# Allegro board Single PMT Data AcquisitionV_3P3.brd (continued)
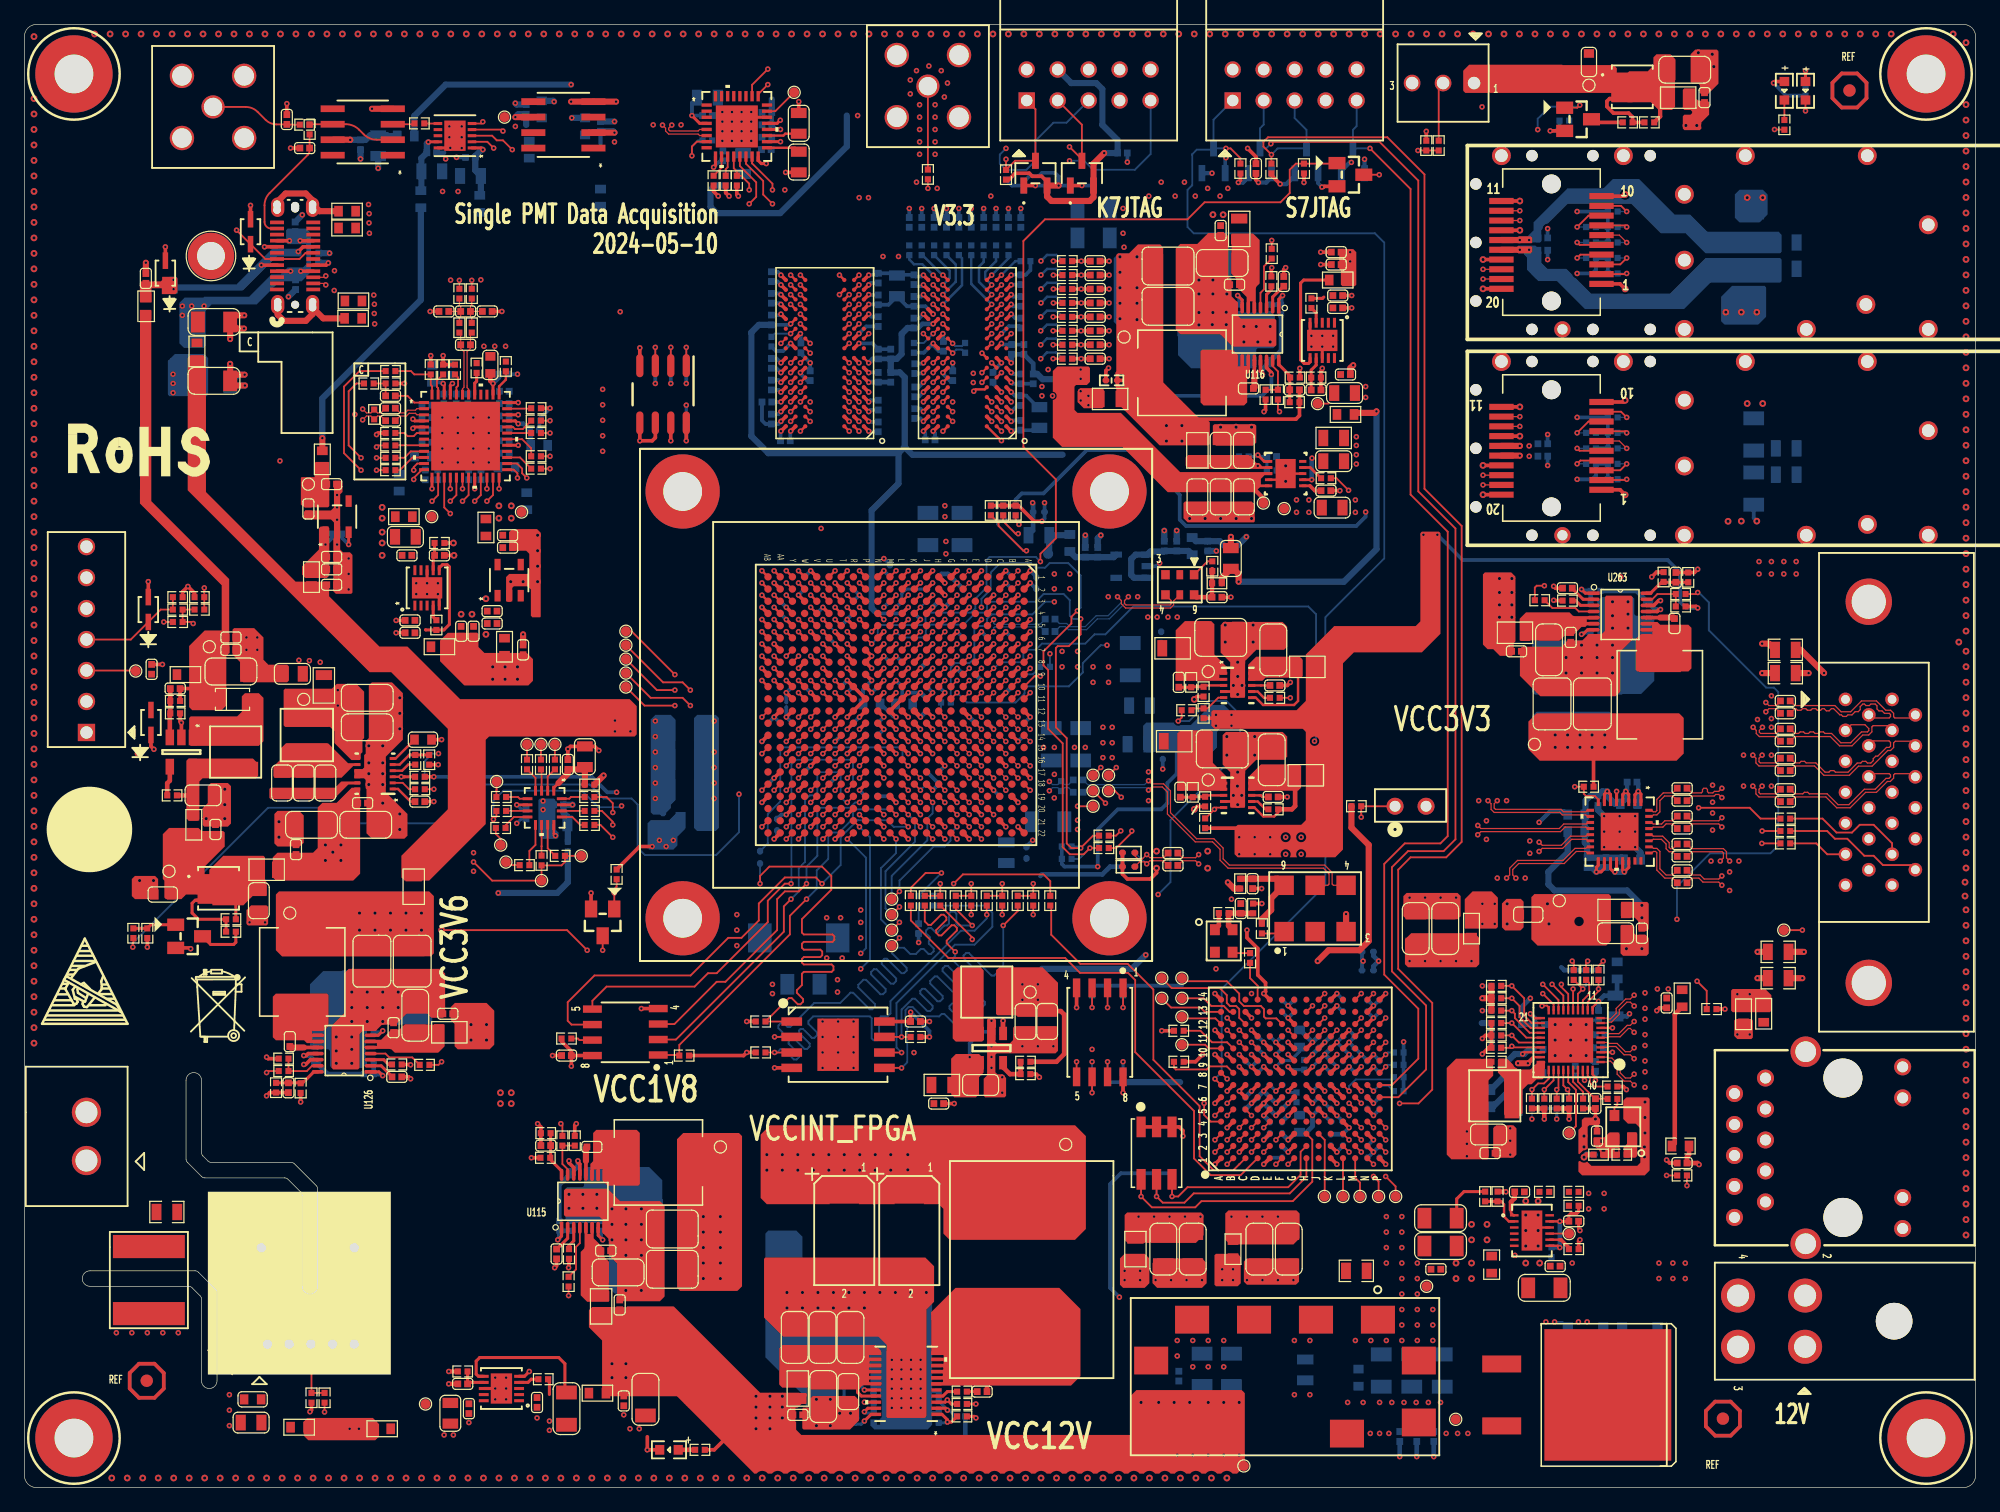
[diagram p0: board, top side]
## Routing (per net, layer and track width the routed paths; a pad name or vN(x,y) marks a point on that pad's centre or on a via; arc(x,y) is an arc through that point) (continued)
  ART08 w0.165: v1(67.63,92.24) 67.5,92.38 66.42,92.38 64.87,90.83 64.87,85.76 62.32,83.21 62.32,82.99 62.48,82.83 62.73,82.83 62.89,82.66 62.89,82.33 62.73,82.17 62.48,82.17 62.32,82 62.32,76.59 61.98,76.25 61.98,72.69 v1(61.48,72.19)
DDR3_A_D5: length 23.6
  TOP w0.203: U75.H8 v1(62.84,92.24) ; U1.AB3 v1(60.48,73.19)
  ART08 w0.102: 61.6,91.74 61.7,91.84 62.2,91.84 62.6,92.24 v1(62.84,92.24)
  ART08 w0.165: 61.6,91.74 60.98,91.74 59.66,90.42 59.66,86.13 58.93,85.39 58.93,79.48 58.7,79.25 58.7,74.97 v1(60.48,73.19)
DDR3_A_D6: length 22.9
  TOP w0.203: U1.Y1 v1(62.48,75.19) ; U75.G2 v1(68.44,91.44)
  ART08 w0.102: 67.42,91.84 68.03,91.84 v1(68.44,91.44)
  ART08 w0.165: 67.42,91.84 66.33,91.84 65.34,90.85 65.34,89.18 65.5,89.02 65.94,89.02 66.1,88.85 66.1,88.52 65.94,88.36 65.5,88.36 65.34,88.19 65.34,85.56 63.6,83.83 63.6,77.21 62.48,76.09 v1(62.48,75.19)
DDR3_A_D7: length 23.6
  TOP w0.203: U75.H7 v1(63.64,92.24) ; U1.AB2 v1(60.48,74.19)
  ART08 w0.102: v1(63.64,92.24) 63.23,91.84 62.63,91.84 62.43,91.64 62.43,91.24 62.4,91.24 62.2,91.04 61.7,91.04
  ART08 w0.165: 61.7,91.04 60.95,91.04 60.13,90.23 60.13,89.86 60.3,89.7 60.57,89.7 60.74,89.53 60.74,89.2 60.57,89.04 60.3,89.04 60.13,88.87 60.13,85.94 59.4,85.2 59.4,79.28 59.17,79.05 59.17,75.5 v1(60.48,74.19)
DDR3_A_D8: length 24.6
  TOP w0.203: U75.D7 v1(63.63,89.04) ; U1.U5 v1(65.48,71.19)
  ART03 w0.102: v1(63.63,89.04) 63.23,88.64 62.61,88.64 62.43,88.46 62.43,85.76
  ART03 w0.165: v1(65.48,71.19) 65.02,71.65 64.34,71.65 62.94,73.05 62.94,73.46 62.64,73.76 62.31,73.76 61.95,74.12 61.95,74.32 61.57,74.7 61.37,74.7 61.05,75.02 61.05,76.73 61.29,76.97 61.29,77.21 61.11,77.39 61.11,77.62 61.34,77.85 61.58,77.85 61.76,77.67 61.99,77.67 63.26,78.94 63.26,84.94 62.43,85.76
DDR3_A_D9: length 24
  TOP w0.203: U1.T4 v1(66.48,72.19) ; U75.C3 v1(67.64,88.24)
  ART03 w0.165: v1(66.48,72.19) 65.99,72.68 65.99,73.46 66.24,73.71 66.75,73.71 66.93,73.89 66.93,74.42 66.67,74.68 66.29,74.68 66.04,74.93 66.04,75.95 67.27,77.18 68.29,78.2 68.29,78.43 68.02,78.71 68.02,78.98 68.22,79.19 68.45,79.19 68.62,79.02 68.86,79.02 69.09,79.25 69.09,79.48 68.92,79.65 68.92,79.89 69.09,80.06 69.09,80.25 69.34,80.5 69.34,80.99 69.09,81.24 69.09,81.57 69.25,81.74 69.39,81.74 69.56,81.9 69.56,82.03 69.72,82.2 69.94,82.2 70.1,82.36 70.1,82.69 69.94,82.86 69.72,82.86 69.56,83.02 69.56,83.17 69.81,83.42 69.81,84.34 68.58,85.57 68.04,85.57 67.06,86.56 67.06,87.66 v1(67.64,88.24)
DDR3_A_D10: length 18.5
  TOP w0.203: U1.V3 v1(64.48,73.19) ; U75.C8 v1(62.83,88.24)
  ART03 w0.165: v1(64.48,73.19) 64.48,73.39 63.9,73.97 63.9,76.91 64.89,77.9 64.89,78.86 65.75,79.72 65.75,84.82 64.07,86.5 64.07,87.01 v1(62.83,88.24)
DDR3_A_D11: length 25.9
  TOP w0.203: U1.N5 v1(69.48,70.19) ; U75.C2 v1(68.44,88.24)
  ART03 w0.102: v1(68.44,88.24) 68.84,88.64 69.9,88.64
  ART03 w0.165: v1(69.48,70.19) 69.48,72.71 69.22,72.97 69.22,74.57 68.96,74.83 68.96,76.88 72.39,80.31 72.39,85.68 71.66,86.42 71.66,87.42 71.37,87.71 71.37,88.48 71.21,88.64 70.89,88.64 70.73,88.48 70.73,88.05 70.56,87.88 70.23,87.88 70.07,88.05 70.07,88.48 69.9,88.64
DDR3_A_D12: length 19.8
  TOP w0.203: U1.W2 v1(63.48,74.19) ; U75.A7 v1(63.63,86.64)
  ART03 w0.165: v1(63.48,74.19) 63.48,74.22 62.9,74.8 62.9,75.37 62.65,75.62 62.23,75.62 61.98,75.87 61.98,76.33 62.53,76.88 62.76,76.88 62.91,76.73 63.14,76.73 63.37,76.96 63.37,77.2 63.23,77.35 63.23,77.58 63.5,77.85 63.73,77.85 63.78,77.8 64.01,77.8 64.24,78.04 64.24,78.27 64.2,78.32 64.2,78.83 64.99,79.62 64.99,79.79 64.82,79.95 64.43,79.95 64.26,80.12 64.26,80.45 64.43,80.61 64.82,80.61 64.99,80.78 64.99,83.02 64.48,83.53 64.48,83.73 64.64,83.89 65.11,83.89 65.28,84.06 65.28,84.39 65.11,84.55 64.64,84.55 64.48,84.72 64.48,85.1 63.63,85.94 v1(63.63,86.64)
DDR3_A_D13: length 26.5
  TOP w0.203: U1.P5 v1(68.48,71.19) ; U75.A2 v1(68.44,86.64)
  ART03 w0.102: v1(68.44,86.64) 68.56,86.64 68.96,87.04 69.45,87.04
  ART03 w0.165: v1(68.48,71.19) 67.9,71.77 67.9,73.36 68.3,73.76 68.65,73.76 68.91,74.02 68.91,74.47 68.71,74.68 68.2,74.68 67.94,74.93 67.94,75.26 68.49,75.81 68.49,77.07 70.6,79.19 70.6,79.42 70.48,79.54 70.48,79.77 70.72,80.01 70.95,80.01 71.07,79.89 71.3,79.89 71.63,80.21 71.63,80.48 71.46,80.65 71.29,80.65 71.12,80.81 71.12,81.14 71.29,81.31 71.68,81.31 71.84,81.47 71.84,81.8 71.68,81.97 71.29,81.97 71.12,82.13 71.12,82.46 71.29,82.63 71.68,82.63 71.84,82.79 71.84,85.29 71.59,85.53 71.59,85.98 71.34,86.24 70.89,86.24 70.66,86.47 70.66,86.7 70.86,86.9 70.86,87.13 70.62,87.37 70.39,87.37 70.19,87.17 69.58,87.17 69.45,87.04
DDR3_A_D14: length 22
  TOP w0.203: U75.B8 v1(62.83,87.44) ; U1.V4 v1(64.48,72.19)
  ART03 w0.102: 63.25,85.62 63.23,85.63 63.23,87.04 v1(62.83,87.44)
  ART03 w0.165: 63.25,85.62 63.73,85.14 63.73,84.6 64.01,84.33 64.01,83.94 63.73,83.66 63.73,83.16 63.89,82.99 64.35,82.99 64.52,82.83 64.52,82.5 64.35,82.33 63.89,82.33 63.73,82.17 63.73,81.96 63.89,81.79 64.35,81.79 64.52,81.63 64.52,81.3 64.35,81.13 63.89,81.13 63.73,80.97 63.73,78.75 61.47,76.48 61.47,75.8 62,75.27 62,75.07 62.45,74.62 62.69,74.62 62.99,74.32 62.99,74.08 63.33,73.74 63.58,73.74 63.96,73.36 63.96,72.71 v1(64.48,72.19)
DDR3_A_D15: length 25.7
  TOP w0.203: U75.A3 v1(67.64,86.64) ; U1.T5 v1(66.48,71.19)
  ART03 w0.165: v1(67.64,86.64) 68.07,86.21 68.61,86.21 68.7,86.12 68.93,86.12 69.01,86.2 69.25,86.2 69.48,85.97 69.48,85.74 69.4,85.66 69.4,85.42 69.68,85.14 69.91,85.14 70.5,85.73 70.73,85.73 70.97,85.5 70.97,85.26 70.38,84.68 70.38,84.44 70.57,84.25 70.57,84.09 70.74,83.92 71.21,83.92 71.37,83.76 71.37,83.42 71.21,83.26 70.74,83.26 70.57,83.09 70.57,81.97 70.41,81.8 70.27,81.8 69.81,81.35 69.81,81.06 69.98,80.89 70.19,80.89 70.36,80.73 70.36,80.4 70.19,80.23 69.98,80.23 69.81,80.07 69.81,79.06 66.93,76.18 66.93,74.93 67.18,74.68 67.69,74.68 67.9,74.46 67.9,74.02 67.55,73.66 67.26,73.66 66.9,73.3 66.9,71.62 v1(66.48,71.19)
DDR3_A_D16: length 30.2
  TOP w0.203: U1.R4 v1(67.48,72.19) ; U76.E3 78.75,90.07 78,90.07 v1(77.85,89.92)
  ART08 w0.165: v1(67.48,72.19) 67.91,71.75 68.9,71.75 69.07,71.59 69.07,71.39 69.23,71.22 69.56,71.22 69.73,71.39 69.73,71.59 69.89,71.75 73.66,71.75 74.05,72.15 74.05,75.4 75.13,76.47 75.13,77.78 75.38,78.04 76.08,78.04 77.28,79.24 77.28,81.67 76.64,82.3 76.64,83.69 76.89,83.94 76.89,84.36 76.64,84.6 76.64,85.87 77.62,86.85 77.62,87.9 77.56,87.96 77.56,88.29 77.72,88.46 77.72,89.12 77.56,89.28 77.56,89.63 v1(77.85,89.92)
DDR3_A_D17: length 26.8
  TOP w0.203: U1.T1 v1(67.48,75.19) ; U76.F7 v1(75.32,90.64)
  ART08 w0.102: v1(75.32,90.64) 74.92,91.04 73.5,91.04
  ART08 w0.165: v1(67.48,75.19) 67.49,75.19 68.21,75.91 68.93,75.91 70.18,77.16 70.18,79.39 71.03,80.24 71.03,81.14 70.86,81.31 70.81,81.31 70.65,81.47 70.65,81.8 70.81,81.97 70.86,81.97 71.03,82.13 71.03,82.46 70.86,82.63 70.81,82.63 70.65,82.79 70.65,83.12 70.81,83.29 70.86,83.29 71.03,83.45 71.03,83.91 72.75,85.63 72.75,85.87 72.21,86.4 72.21,87.15 72.38,87.32 73.11,87.32 73.28,87.48 73.28,87.81 73.11,87.98 72.38,87.98 72.21,88.15 72.21,88.48 72.38,88.64 73.11,88.64 73.28,88.81 73.28,89.14 73.11,89.3 72.38,89.3 72.21,89.47 72.21,89.81 73.44,91.04 73.5,91.04
DDR3_A_D18: length 30.8
  TOP w0.203: U1.P4 v1(68.48,72.19) ; U76.F2 v1(80.12,91.44)
  ART08 w0.165: v1(68.48,72.19) 69.78,72.19 70.23,72.64 72.56,72.64 72.95,73.03 72.95,75.27 74.66,76.97 74.66,77.97 75.6,78.92 75.84,78.92 75.94,78.82 76.17,78.82 76.41,79.05 76.41,79.28 76.3,79.39 76.3,80.49 76.47,80.65 76.52,80.65 76.68,80.82 76.68,81.15 76.52,81.31 76.47,81.31 76.3,81.48 76.3,81.68 76.08,81.9 76.08,85.76 77.19,86.86 77.19,89.91 77.19,89.92 77.19,91.44 77.8,92.05 78.82,92.05 79.42,91.44 v1(80.12,91.44)
DDR3_A_D19: length 27.1
  TOP w0.203: U1.R2 v1(67.48,74.19) ; U76.F8 v1(74.52,90.64)
  ART08 w0.102: 74.12,86.34 74.12,90.24 v1(74.52,90.64)
  ART08 w0.165: 74.12,86.34 71.7,83.92 71.7,83.56 71.86,83.4 72.51,83.4 72.67,83.23 72.67,82.9 72.51,82.74 71.86,82.74 71.7,82.57 71.7,80.5 72.34,79.86 72.34,79.53 72.17,79.36 70.82,79.36 70.65,79.2 70.65,78.87 70.82,78.7 72.17,78.7 72.34,78.54 72.34,78.21 72.17,78.04 70.82,78.04 70.65,77.88 70.65,76.97 69.32,75.64 68.32,75.64 67.94,75.26 67.94,74.66 v1(67.48,74.19)
DDR3_A_D20: length 28
  TOP w0.203: U1.P2 v1(68.48,74.19) ; U76.H3 v1(78.52,93.04)
  ART08 w0.165: v1(78.52,93.04) 77.62,93.04 76.01,91.43 75.95,91.43 75.79,91.26 75.79,90.93 75.95,90.77 76.01,90.77 76.17,90.6 76.17,89.76 76.55,89.39 76.55,87.26 74.89,85.6 74.89,84.62 74.47,84.2 74.47,83.93 74.64,83.76 74.86,83.76 75.03,83.6 75.03,83.27 74.86,83.1 74.64,83.1 74.47,82.94 74.47,82.61 74.64,82.44 74.86,82.44 75.03,82.28 75.03,81.95 74.86,81.78 74.64,81.78 74.47,81.62 74.47,79.94 73.28,78.74 73.28,77.47 71.63,75.82 71.5,75.82 71.04,75.36 71.04,75.16 70.5,74.62 68.9,74.62 v1(68.48,74.19)
DDR3_A_D21: length 25.3
  TOP w0.203: U1.U1 v1(66.48,75.19) ; U76.H8 v1(74.52,92.24)
  ART08 w0.165: v1(66.48,75.19) 66.48,75.62 69.13,78.27 69.13,79.82 69.67,80.36 69.67,88.8 70.46,89.59 70.46,89.83 70,90.29 70,90.52 70.23,90.76 70.47,90.76 70.93,90.29 71.16,90.29 71.59,90.73 71.59,90.96 71.39,91.16 71.39,91.39 71.63,91.63 71.86,91.63 72.06,91.43 72.29,91.43 73.54,92.67 74.09,92.67 v1(74.52,92.24)
DDR3_A_D22: length 29.1
  TOP w0.203: U1.R3 v1(67.48,73.19) ; U76.G2 v1(79.32,92.24)
  ART08 w0.165: v1(67.48,73.19) 68.03,72.64 69.47,72.64 69.98,73.15 69.98,73.43 70.21,73.66 70.55,73.66 71.01,74.12 71.01,74.48 71.19,74.66 71.54,74.66 72.05,75.17 72.05,75.37 73.75,77.07 73.75,78.55 74.96,79.76 74.96,80.62 75.61,81.28 75.61,85.87 76.87,87.13 76.87,89.71 76.63,89.94 76.63,91.52 77.62,92.51 79.05,92.51 v1(79.32,92.24)
DDR3_A_D23: length 29.1
  TOP w0.203: U76.H7 v1(75.32,92.24) ; U1.T3 v1(66.48,73.19)
  ART08 w0.102: v1(75.32,92.24) 75.32,91.96 75.2,91.84 73.51,91.84
  ART08 w0.165: 73.51,91.84 71.1,89.43 71.1,89.2 71.66,88.63 71.66,88.4 71.43,88.17 71.19,88.17 70.63,88.73 70.4,88.73 70.14,88.47 70.14,87.82 70.3,87.66 71.32,87.66 71.48,87.49 71.48,87.16 71.32,87 70.3,87 70.14,86.83 70.14,80.01 69.64,79.52 69.64,77.96 66.98,75.3 66.98,73.7 v1(66.48,73.19)
DDR3_A_D24: length 20.5
  TOP w0.203: U76.D7 v1(75.32,89.04) ; U1.N2 v1(70.48,74.19)
  ART03 w0.102: 74.92,86.43 74.92,87.75 75.02,87.85 75.62,87.85 75.72,87.95 75.72,88.16 75.62,88.26 75.02,88.26 74.92,88.36 74.92,88.64 v1(75.32,89.04)
  ART03 w0.165: 74.92,86.43 75.41,85.94 75.41,82.55 74.22,81.36 74.22,79.87 70.9,76.55 70.9,75.93 70.74,75.77 70.29,75.77 70.05,75.53 70.05,75.01 70.48,74.58 v1(70.48,74.19)
DDR3_A_D25: length 18.4
  TOP w0.203: U1.L1 v1(72.48,75.19) ; U76.C3 v1(79.32,88.24)
  ART03 w0.102: v1(79.32,88.24) 79.62,88.24 79.72,88.14 79.72,87.27 79.48,87.04 79.28,87.04 79.25,87.01
  ART03 w0.165: 79.25,87.01 79.25,87.01 78.75,86.52 78.75,84.71 78.86,84.59 78.86,82.03 76.81,79.98 76.81,79.15 75.76,78.1 75.44,78.1 73.68,76.35 73.18,76.35 72.48,75.64 v1(72.48,75.19)
DDR3_A_D26: length 25.2
  TOP w0.203: U76.C8 v1(74.52,88.24) ; U1.L5 v1(72.48,71.19)
  ART03 w0.102: 73.35,88.64 74.12,88.64 v1(74.52,88.24)
  ART03 w0.165: 73.35,88.64 72.77,88.64 72.34,88.21 72.34,86.9 73.38,85.85 73.45,85.85 73.61,85.69 73.61,85.36 73.45,85.19 73.38,85.19 73.21,85.03 73.21,84.7 73.38,84.53 73.45,84.53 73.61,84.37 73.61,84.04 73.45,83.87 73.38,83.87 73.21,83.71 73.21,80.2 69.51,76.49 69.51,73.56 70.35,72.72 70.55,72.72 70.94,72.33 70.94,72.12 71.3,71.77 71.5,71.77 72.08,71.19 v1(72.48,71.19)
DDR3_A_D27: length 22.6
  TOP w0.203: U76.C2 v1(80.12,88.24) ; U1.L3 v1(72.48,73.19)
  ART03 w0.102: v1(80.12,88.24) 80.12,88.01 80.52,87.61 80.52,87.27 80.29,87.04 79.95,87.04 79.67,86.75
  ART03 w0.165: 79.67,86.75 79.44,86.75 79.22,86.54 79.22,85.22 79.33,85.1 79.33,84.94 79.5,84.78 79.63,84.78 79.8,84.61 79.8,84.28 79.63,84.12 79.5,84.12 79.33,83.95 79.33,83.62 79.5,83.46 79.63,83.46 79.8,83.29 79.8,82.96 79.63,82.8 79.5,82.8 79.33,82.63 79.33,81.83 77.42,79.92 77.42,77.74 76.84,77.16 75.43,77.16 74.35,76.07 73.64,76.07 72.97,75.41 72.97,73.69 v1(72.48,73.19)
DDR3_A_D28: length 22.4
  TOP w0.203: U1.M3 v1(71.48,73.19) ; U76.A7 v1(75.32,86.64)
  ART03 w0.165: v1(71.48,73.19) 71.48,73.43 70.9,74 70.9,75.34 71.37,75.82 71.37,76.36 74.69,79.68 74.69,80.36 75.09,80.76 75.09,81 74.92,81.17 74.92,81.4 75.16,81.63 75.39,81.63 75.55,81.48 75.78,81.48 75.95,81.64 75.95,81.92 75.84,82.02 75.84,82.34 76.01,82.51 76.67,82.51 76.83,82.67 76.83,84.22 77.11,84.49 77.11,85.05 76.94,85.21 76.45,85.21 76.29,85.38 76.29,85.71 76.45,85.87 76.89,85.87 77.06,86.04 77.06,86.78 76.89,86.95 76.66,86.95 76.45,86.74 76.07,86.74 75.77,87.05 75.48,87.05 75.32,86.88 v1(75.32,86.64)
DDR3_A_D29: length 20.1
  TOP w0.203: U76.A2 v1(80.12,86.64) ; U1.K1 v1(73.48,75.19)
  ART03 w0.165: v1(73.48,75.19) 73.48,75.53 73.64,75.69 74.77,75.69 75.24,76.16 76.51,76.16 77.89,77.54 77.89,78.57 78.03,78.71 78.21,78.71 78.36,78.86 78.36,79.06 78.21,79.21 78.21,79.21 78.04,79.37 78.04,79.61 78.29,79.86 78.29,80.12 78.62,80.46 78.89,80.46 79.23,80.79 79.23,81.06 79.56,81.39 79.83,81.39 80.27,81.83 80.27,82.73 80.43,82.9 80.8,82.9 80.96,83.06 80.96,83.39 80.8,83.56 80.43,83.56 80.27,83.72 80.27,84.05 80.43,84.22 80.8,84.22 80.96,84.38 80.96,84.71 80.8,84.88 80.43,84.88 79.69,85.62 79.69,86.21 v1(80.12,86.64)
DDR3_A_D30: length 21.7
  TOP w0.203: U76.B8 v1(74.52,87.44) ; U1.N3 v1(70.48,73.19)
  ART03 w0.102: v1(74.52,87.44) 74.52,87.67 74.22,87.97 74.12,87.97 73.99,87.84 73.54,87.84 73.31,88.06
  ART03 w0.165: v1(70.48,73.19) 70.62,73.34 70.62,73.57 70.46,73.74 69.99,73.74 69.78,73.95 69.78,76.1 73.68,80 73.68,81.82 74.42,82.56 74.42,85.59 73.8,86.21 73.54,86.21 72.69,87.06 72.69,87.67 73.08,88.06 73.31,88.06
DDR3_A_D31: length 20.4
  TOP w0.203: v1(80.12,85.86) 80.1,85.86 U76.A3 ; U1.K2 v1(73.48,74.19)
  ART03 w0.165: v1(80.12,85.86) 80.48,85.86 80.58,85.76 80.81,85.76 81.02,85.98 81.26,85.98 81.49,85.74 81.49,85.51 81.28,85.3 81.28,85.06 81.43,84.91 81.43,82.33 78.83,79.73 78.83,77.81 76.64,75.62 76.16,75.62 76,75.45 76,75.11 75.65,74.77 73.64,74.77 73.48,74.6 v1(73.48,74.19)
DDR3_A_DM0: length 21.7
  TOP w0.203: U1.AB1 v1(60.48,75.19) ; U75.E7 v1(63.63,89.84)
  ART08 w0.102: 61.59,90.24 63.23,90.24 v1(63.63,89.84)
  ART08 w0.165: 61.59,90.24 61.43,90.08 61.43,89.01 60.6,88.18 60.6,87.81 60.77,87.65 61.43,87.65 61.59,87.48 61.59,87.15 61.43,86.99 60.77,86.99 60.6,86.82 60.6,85.47 60.55,85.47 59.89,84.81 59.89,79.11 59.64,78.86 59.64,77.13 59.8,76.97 59.97,76.97 60.13,76.8 60.13,76.47 59.97,76.31 59.93,76.31 59.76,76.14 59.76,75.91 v1(60.48,75.19)
DDR3_A_DM1: length 23.5
  TOP w0.203: U75.D3 v1(67.64,89.04) ; U1.U3 v1(65.48,73.19)
  ART03 w0.165: v1(67.64,89.04) 66.74,88.14 66.74,86.21 68.63,84.31 69.18,84.31 69.34,84.15 69.34,83.82 69.18,83.65 68.63,83.65 68.47,83.49 68.47,83.24 68.63,83.08 68.92,83.08 69.09,82.91 69.09,82.58 68.92,82.42 68.63,82.42 68.47,82.25 68.47,81.43 68.3,81.26 67.87,81.26 67.45,80.83 67.45,80.62 67.61,80.45 68.16,80.45 68.33,80.29 68.33,79.96 68.16,79.79 67.61,79.79 67.45,79.63 67.45,78.02 65.63,76.21 65.63,74.7 65.91,74.42 65.91,73.99 65.48,73.55 v1(65.48,73.19)
DDR3_A_DM2: length 25.9
  TOP w0.203: U1.P1 v1(68.48,75.19) ; U76.E7 v1(75.32,89.84)
  ART08 w0.102: 74.92,86.43 74.92,89.44 v1(75.32,89.84)
  ART08 w0.165: 74.92,86.43 74.09,85.6 74.09,85.37 74.42,85.05 74.42,84.81 74.18,84.58 73.95,84.58 73.63,84.9 73.35,84.9 72.96,84.51 72.96,84.28 73.54,83.7 73.54,83.47 73.96,83.04 73.96,82.12 73.8,81.96 72.68,81.96 72.3,81.58 72.3,80.91 72.59,80.63 73.84,80.63 74,80.46 74,80.13 73.84,79.97 72.97,79.97 72.81,79.8 72.81,77.66 71.97,76.83 71.74,76.83 71.57,76.99 71.34,76.99 71.11,76.76 71.11,76.53 71.27,76.36 71.27,76.12 70.92,75.77 70.45,75.77 69.87,75.19 v1(68.48,75.19)
DDR3_A_DM3: length 23.3
  TOP w0.203: U76.D3 v1(79.32,89.04) ; U1.K3 v1(73.48,73.19)
  ART03 w0.102: 81.49,87.44 81.09,87.84 80.75,87.84 80.52,88.07 80.52,88.41 80.29,88.64 79.72,88.64 v1(79.32,89.04)
  ART03 w0.165: 81.49,87.44 81.96,86.96 81.96,82.2 79.34,79.58 79.34,77.66 76.99,75.3 76.99,75.1 76.54,74.65 76.33,74.65 76.02,74.34 76.02,74.14 75.57,73.69 73.97,73.69 v1(73.48,73.19)
DDR3_A_DQS0_N: length 24.5
  TOP w0.165: U1.Y2 v1(62.48,74.19) ; U75.G3 v1(67.64,91.44)
  ART08 w0.102: 62.93,75.53 62.91,75.51 62.91,75.5 62.87,75.46 62.87,75.29 62.88,75.28 62.88,74 62.83,73.95
  ART08 w0.114: 62.83,73.95 62.72,73.95 v1(62.48,74.19) ; v1(67.64,91.44) 67.34,91.15 67.34,91.09 67.25,91 67.25,90.99 66.87,90.6 66.87,88.25 65.98,87.37 65.98,86.9 66.22,86.66 66.9,86.66 67.01,86.55 67.01,86.09 66.9,85.97 66.22,85.97 65.98,85.73 65.98,84.65 65.72,84.39 65.13,84.39 64.34,83.59 64.34,83.18 64.58,82.94 64.77,82.94 64.88,82.83 64.88,82.37 64.77,82.26 64.58,82.26 64.34,82.02 64.34,81.38 64.58,81.14 64.77,81.14 64.88,81.03 64.88,80.57 64.77,80.45 64.58,80.45 64.34,80.21 64.34,76.94 62.93,75.53
DDR3_A_DQS0_P: length 24.5
  TOP w0.165: U1.Y3 v1(62.48,73.19) ; U75.F3 v1(67.64,90.64)
  ART08 w0.102: 63.08,73.8 63.08,75.37
  ART08 w0.114: v1(67.64,90.64) 67.5,90.77 67.34,90.77 67.08,90.51 67.08,88.16 66.2,87.28 66.2,86.99 66.31,86.88 66.99,86.88 67.23,86.64 67.23,86 66.99,85.76 66.31,85.76 66.2,85.64 66.2,84.56 65.81,84.17 65.22,84.17 64.55,83.5 64.55,83.27 64.67,83.16 64.86,83.16 65.1,82.92 65.1,82.28 64.86,82.04 64.67,82.04 64.55,81.93 64.55,81.47 64.67,81.36 64.86,81.36 65.1,81.12 65.1,80.48 64.86,80.24 64.67,80.24 64.55,80.12 64.55,76.85 63.08,75.37 ; v1(62.48,73.19) 63.08,73.8
DDR3_A_DQS1_N: length 21.1
  TOP w0.165: U1.V2 v1(64.48,74.19) ; v1(64.43,87.44) U75.B7
  ART03 w0.114: v1(64.48,74.19) 64.94,74.65 64.94,75.73 64.74,75.92 64.74,76.23 64.94,76.42 64.94,76.73 65.11,76.91 65.11,77.2 65.29,77.38 65.58,77.38 65.8,77.6 65.8,77.76 65.76,77.79 65.76,77.96 65.93,78.12 66.09,78.12 66.12,78.08 66.28,78.08 66.58,78.38 66.58,81.81 66.82,82.05 67.49,82.05 67.6,82.17 67.6,82.63 67.49,82.74 66.82,82.74 66.58,82.98 66.58,83.48 66.82,83.72 67.23,83.72 67.35,83.84 67.35,84.29 67.23,84.41 66.82,84.41 66.58,84.65 66.58,84.9 65.94,85.54 65.94,85.99 66.04,86.09 66.04,86.65 65.83,86.86 65.83,87.2 65.95,87.33 65.95,87.49 65.79,87.65 65.63,87.65 65.51,87.53 65.16,87.53 64.96,87.73 64.73,87.73 v1(64.43,87.44)
DDR3_A_DQS1_P: length 20.8
  TOP w0.165: U1.U2 v1(65.48,74.19) ; v1(64.43,88.24) U75.C7
  ART03 w0.114: v1(64.43,88.24) 64.73,87.95 65.05,87.95 65.25,87.74 65.42,87.74 65.54,87.87 65.88,87.87 66.17,87.58 66.17,87.24 66.05,87.11 66.05,86.95 66.26,86.74 66.26,86 66.16,85.9 66.16,85.63 66.8,84.99 66.8,84.74 66.91,84.62 67.32,84.62 67.56,84.38 67.56,83.75 67.32,83.51 66.91,83.51 66.8,83.39 66.8,83.07 66.91,82.96 67.58,82.96 67.82,82.72 67.82,82.08 67.58,81.84 66.91,81.84 66.8,81.72 66.8,78.29 65.15,76.64 65.15,74.52 v1(65.48,74.19)
DDR3_A_DQS2_N: length 30.6
  TOP w0.165: U1.N4 v1(70.48,71.19) ; U76.G3 v1(78.52,91.44)
  ART08 w0.102: 75.08,75.36 75.08,71.88 74.79,71.59 74.31,71.59 74.08,71.36 74.08,70.95 73.72,70.59 71.22,70.59 71.15,70.58 71.13,70.57 71.11,70.59
  ART08 w0.114: 75.08,75.36 75.33,75.62 75.74,75.62 78.48,78.35 78.48,83.48 78.59,83.59 79.21,83.59 79.45,83.83 79.45,84.47 79.21,84.71 78.59,84.71 78.48,84.82 78.48,85.24 78.82,85.57 78.82,89.48 79.3,89.97 79.3,90.91 79.06,91.15 78.81,91.15 v1(78.52,91.44) ; 71.11,70.59 70.87,70.83 70.87,71.07 70.87,71.08 70.75,71.19 v1(70.48,71.19)
DDR3_A_DQS2_P: length 30.8
  TOP w0.165: U76.F3 v1(78.52,90.64) ; U1.M5 v1(71.48,71.19)
  ART08 w0.102: 71.2,70.81 71.22,70.79 73.63,70.79 73.88,71.04 73.88,71.44 74.23,71.79 74.7,71.79 74.88,71.97 74.88,75.27 74.87,75.28 74.87,75.45 74.92,75.49 74.92,75.5 74.93,75.52
  ART08 w0.114: 74.93,75.52 75.24,75.83 75.65,75.83 76.17,76.34 76.17,76.57 76.38,76.78 76.6,76.78 76.91,77.09 76.91,77.25 76.9,77.25 76.9,77.41 77.07,77.57 77.23,77.57 77.23,77.57 77.39,77.57 77.55,77.73 77.55,77.89 77.55,77.9 77.55,78.06 77.71,78.22 77.87,78.22 77.88,78.22 78.04,78.22 78.26,78.44 78.26,82.82 78.13,82.96 78.13,83.28 78.26,83.41 78.26,83.57 78.5,83.81 79.12,83.81 79.24,83.92 79.24,84.38 79.12,84.49 78.5,84.49 78.26,84.73 78.26,85.33 78.6,85.66 78.6,86.05 78.4,86.25 78.4,86.51 78.6,86.71 78.6,86.97 78.4,87.17 78.4,87.42 78.6,87.62 78.6,87.88 78.4,88.08 78.4,88.34 78.6,88.54 78.6,88.8 78.4,88.99 78.4,89.25 78.6,89.45 78.6,89.57 79.09,90.06 79.09,90.82 78.97,90.93 78.81,90.93 v1(78.52,90.64) ; 71.2,70.81 71.09,70.92 71.09,71.08 71.2,71.19 v1(71.48,71.19)
DDR3_A_DQS3_N: length 19.9
  TOP w0.165: U1.M1 v1(71.48,75.19) ; v1(76.12,87.44) U76.B7
  ART03 w0.102: 72.94,76.98 72.92,76.96 72.92,76.95 72.88,76.91 72.88,76.9 71.88,75.9 71.88,74.91 71.7,74.73 71.47,74.73 71.37,74.83 71.37,75.08 v1(71.48,75.19)
  ART03 w0.114: v1(76.12,87.44) 76.12,87.64 76.29,87.82 76.99,87.82 77.88,86.92 77.88,83.93 77.77,83.82 77.72,83.82 77.48,83.58 77.48,83.17 77.72,82.93 77.77,82.93 77.88,82.81 77.88,82.28 75.95,80.34 75.95,79.51 75.51,79.07 75.03,79.07 72.94,76.98
DDR3_A_DQS3_P: length 20.6
  TOP w0.165: v1(76.12,88.24) U76.C7 ; U1.M2 v1(71.48,74.19)
  ART03 w0.102: 73.09,76.83 72.08,75.81 72.08,74.82 71.78,74.52 71.58,74.52 71.48,74.42 v1(71.48,74.19)
  ART03 w0.114: 73.09,76.83 75.12,78.85 75.6,78.85 76.16,79.42 76.16,80.25 78.1,82.19 78.1,82.22 78.21,82.33 78.21,82.79 77.86,83.15 77.81,83.15 77.7,83.26 77.7,83.49 77.81,83.6 77.86,83.6 78.21,83.95 78.21,84.32 78.1,84.43 78.1,86.23 78.25,86.39 78.25,86.69 78.1,86.84 78.1,87.01 77.62,87.49 77.62,87.75 77.43,87.94 77.17,87.94 77.08,88.03 76.33,88.03 v1(76.12,88.24)
DDR3_A_ODT: length 75.2
  TOP w0.203: U75.K1 69.23,94.64 v1(69.24,94.64) ; U1.Y6 v1(62.48,70.19) ; U76.K1 v1(80.92,94.64) ; R484.2 v1(84.36,93.73)
  ART06 w0.102: v1(84.36,93.73) 83.82,94.26 81.3,94.26 v1(80.92,94.64) 80.52,95.04 69.64,95.04 69.52,94.92 69.52,94.92 v1(69.24,94.64) 68.95,94.92 68.95,94.92 68.84,95.04 67.32,95.04 67.12,94.84
  ART06 w0.178: 67.12,94.84 66.73,94.44 66.73,86 67.28,85.45 70.24,85.45 70.41,85.27 70.41,84.92 70.24,84.74 67.28,84.74 67.1,84.56 67.1,84.2 67.28,84.03 70.24,84.03 70.41,83.85 70.41,83.49 70.24,83.31 67.85,83.31 67.67,83.14 67.67,81.43 67.85,81.25 69.27,81.25 69.44,81.08 69.44,80.72 69.27,80.54 66.78,80.54 66.6,80.37 66.6,80.01 66.78,79.83 69.27,79.83 69.44,79.65 69.44,79.3 69.27,79.12 66.87,79.12 66.7,78.94 66.7,78.59 66.87,78.41 69.27,78.41 69.44,78.23 69.44,77.87 69.27,77.7 67.28,77.7 66.91,77.32 66.91,74.96 66.62,74.68 66.27,74.68 65.99,74.4 65.99,73.99 65.66,73.66 64.33,73.66 64.01,73.33 64.01,73.05 62.69,71.73 62.26,71.73 62,71.48 62,70.67 v1(62.48,70.19)
DDR3_A_RAS_B: length 78.8
  TOP w0.203: R482.2 v1(84.36,92.58) ; U75.J3 v1(67.63,93.84) ; U1.W6 v1(63.48,70.19) ; U76.J3 v1(79.32,93.84)
  ART06 w0.102: v1(84.36,92.58) 83.9,93.04 81.63,93.04 80.43,94.24 79.72,94.24 v1(79.32,93.84) 78.92,94.24 74.3,94.24 74.29,94.24 71.8,94.24 71.69,94.34 71.69,94.44 71.59,94.54 71.39,94.54 71.29,94.44 71.29,94.34 71.19,94.24 68.03,94.24 v1(67.63,93.84)
  ART06 w0.178: v1(67.63,93.84) 67.06,93.26 67.06,86.6 67.55,86.11 70.79,86.11 71.54,85.36 73.05,85.36 73.23,85.18 73.23,84.82 73.05,84.65 71.54,84.65 71.36,84.47 71.36,83.15 70.05,81.84 70.05,81.46 70.23,81.28 72.97,81.28 73.15,81.1 73.15,80.75 72.97,80.57 70.23,80.57 70.05,80.39 70.05,80.04 70.23,79.86 72.97,79.86 73.15,79.68 73.15,79.32 72.97,79.15 70.23,79.15 70.05,78.97 70.05,78.61 70.23,78.44 72.97,78.44 73.15,78.26 73.15,77.9 72.97,77.72 70.23,77.72 70.05,77.55 70.05,77.37 70.04,77.36 70.04,76.87 69.87,76.69 68.37,76.69 68.19,76.51 68.19,76.16 68.37,75.98 69.87,75.98 70.04,75.8 70.04,73.66 69.15,72.76 64.43,72.76 62.99,71.32 62.99,70.68 v1(63.48,70.19)
DDR3_A_RESET_B: length 72.5
  TOP w0.203: U76.T2 v1(80.12,99.44) ; U1.W12 v1(63.48,63.19) ; U75.T2 v1(68.44,99.44)
  ART06 w0.178: v1(80.12,99.44) 79.63,99.92 68.92,99.92 v1(68.44,99.44)
  ART08 w0.102: 61.49,99.04 64.28,99.04 64.39,98.93
  ART08 w0.165: v1(68.44,99.44) 67.69,99.44 67.18,98.93 64.39,98.93 ; 61.49,99.04 60.66,99.04 54.69,93.08 52.96,93.08 50.9,91.02 50.9,71.65 58.5,64.06 62.61,64.06 v1(63.48,63.19)
  BOTTOM w0.203: R8.1 81.26,100.58 v1(80.12,99.44)
DDR3_A_S0_B: length 73.2
  TOP w0.203: U1.AA5 v1(61.48,71.19) ; R479.2 v1(84.38,97.16) ; U75.L2 v1(68.44,95.44) ; U76.L2 v1(80.12,95.44)
  ART06 w0.102: 67.28,95.84 68.04,95.84 v1(68.44,95.44) 68.84,95.84 71.3,95.84 71.41,95.94 71.41,96.06 71.51,96.16 71.71,96.16 71.81,96.06 71.81,95.94 71.91,95.84 79.72,95.84 v1(80.12,95.44) 81.32,95.44 82.52,96.64 83.86,96.64 v1(84.38,97.16)
  ART06 w0.178: v1(61.48,71.19) 61.48,71.51 61.98,72.01 61.98,72.3 62.3,72.62 62.72,72.62 62.91,72.81 62.91,73.45 63.22,73.76 63.66,73.76 63.91,74.01 63.91,74.45 64.14,74.68 65.66,74.68 66.04,75.06 66.04,75.73 65.86,75.91 64.62,75.91 64.44,76.09 64.44,76.44 64.62,76.62 65.86,76.62 66.04,76.8 66.04,77.15 65.86,77.33 64.62,77.33 64.44,77.51 64.44,77.86 64.62,78.04 65.86,78.04 66.04,78.22 66.04,79.26 65.86,79.43 64.59,79.43 64.41,79.61 64.41,79.97 64.59,80.15 65.86,80.15 66.04,80.32 66.04,80.68 65.86,80.86 64.59,80.86 64.41,81.03 64.41,81.39 64.59,81.57 65.86,81.57 66.4,82.1 66.4,82.66 66.22,82.84 64.67,82.84 64.49,83.02 64.49,83.43 64.67,83.61 66.44,83.61 66.62,83.79 66.62,84.15 66.44,84.32 64.67,84.32 64.49,84.5 64.49,84.93 64.67,85.11 66.22,85.11 66.4,85.29 66.4,85.7 66.22,85.88 64.81,85.88 64.63,86.06 64.63,86.41 64.81,86.59 66.22,86.59 66.4,86.77 66.4,86.94 66.22,87.12 65.41,87.12 65.23,87.29 65.23,87.65 65.41,87.83 66.22,87.83 66.4,88.01 66.4,94.95 67.28,95.84
